# Altium PCB ASCII_LimeSDR-USB_1v4.PcbDoc (part 4 of 10)
Units mm, origin at the board's own origin, x right, y up, seen from the top; angles counter-clockwise.
Board outline 100 x 60 mm, 12 copper layers (Top, L2, L3, L4, L5, L6, L7, L8, L9, L10, L11, Bottom), stack 1.58 mm thick; 858 components, 627 nets, 4063 pads, 2099 vias.
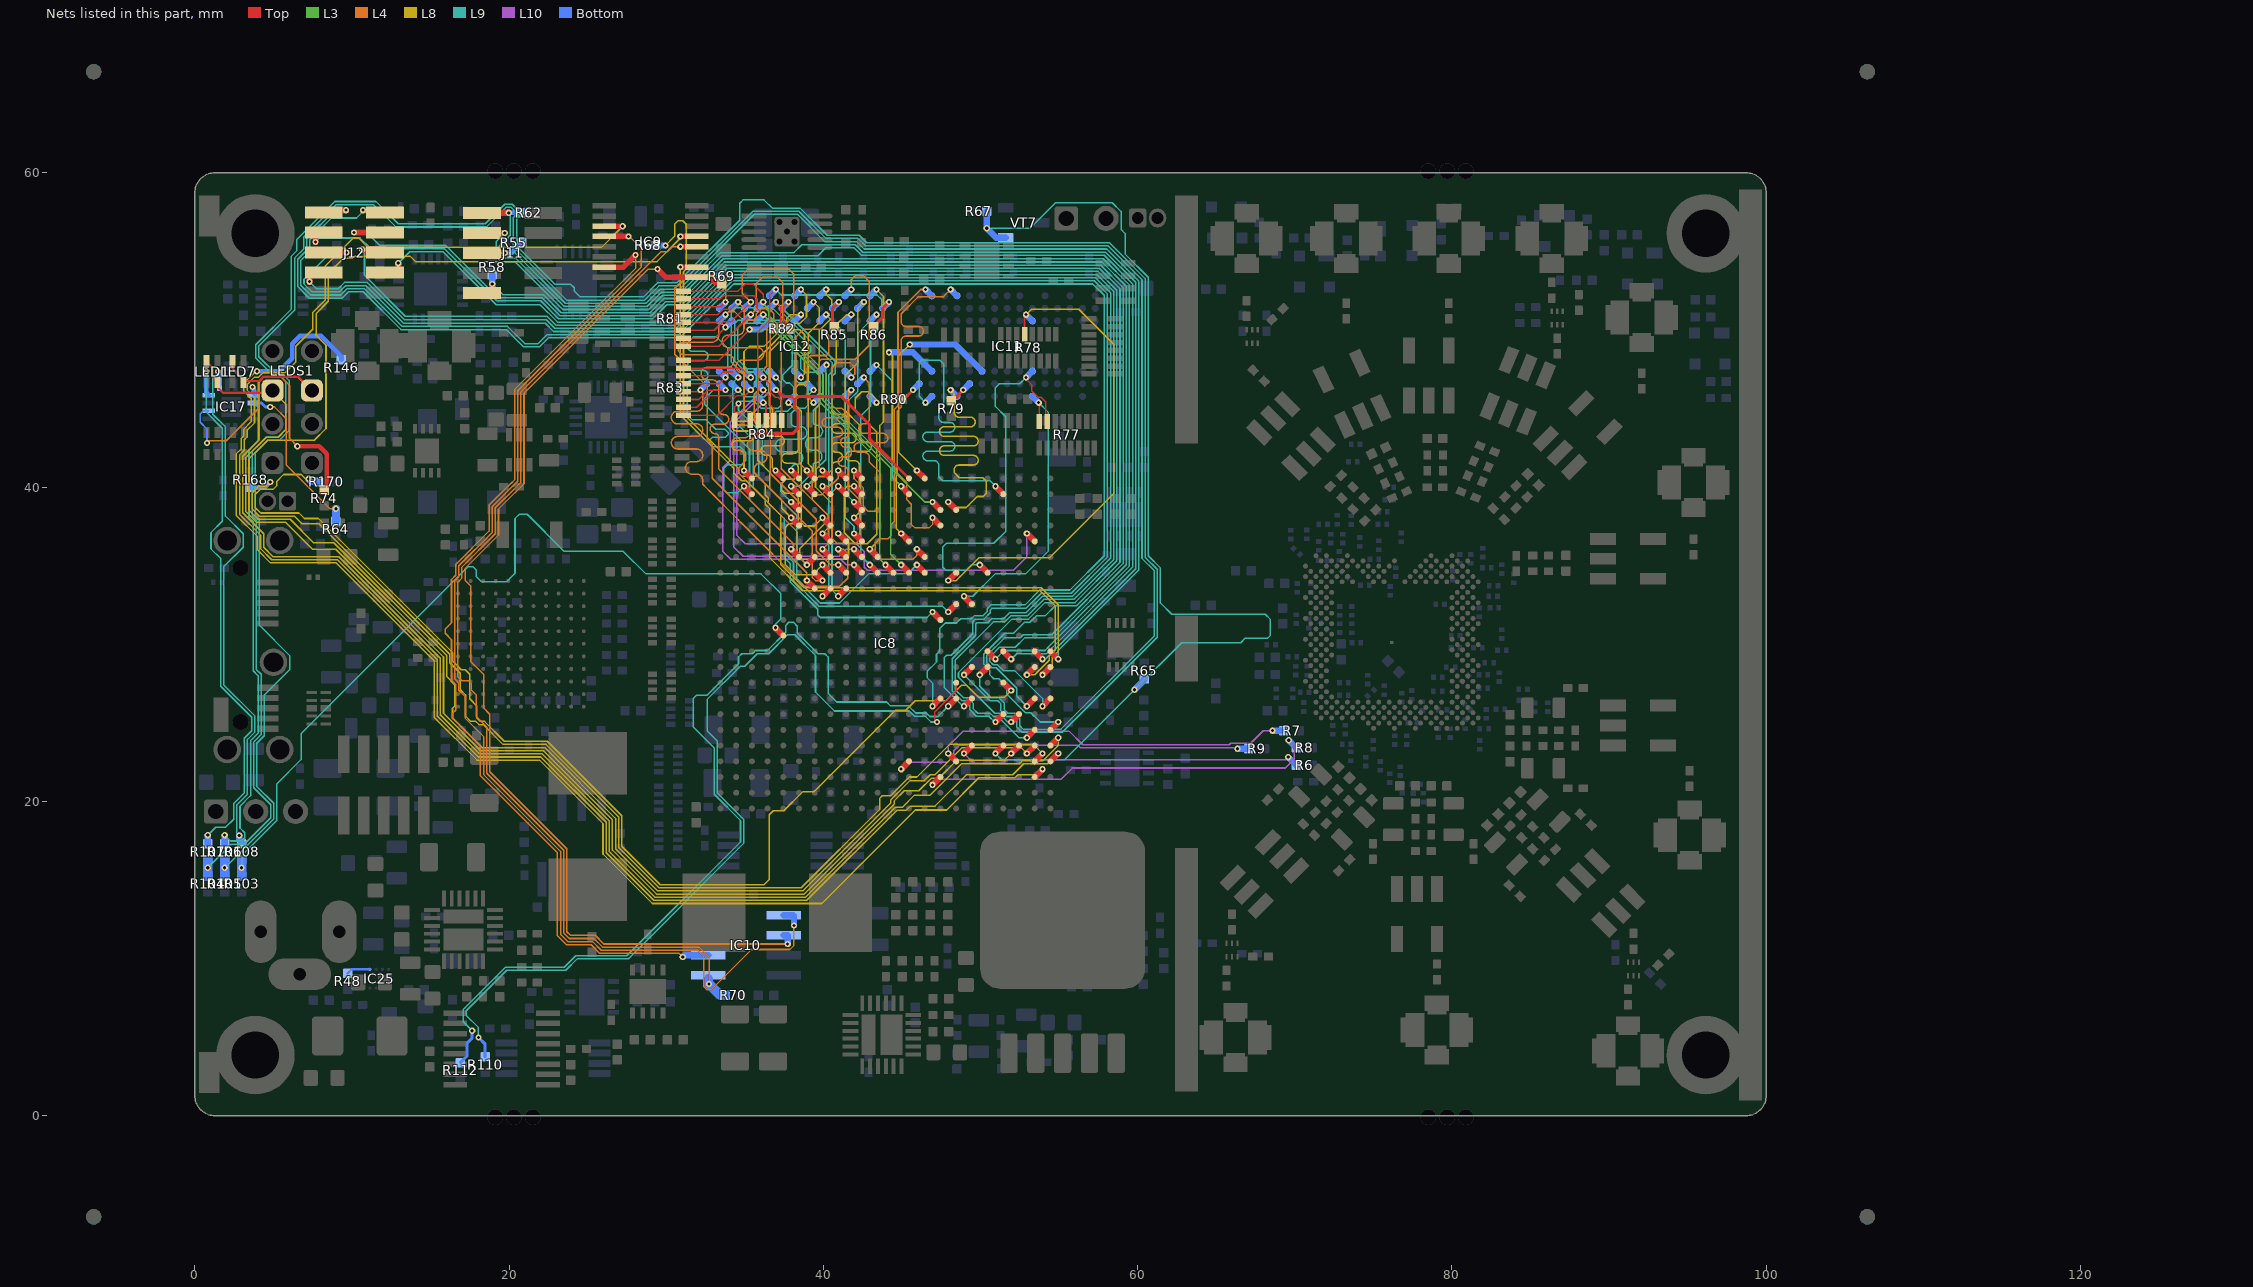
[diagram p12: the nets of this part, all layers, seen from the top]

## Via types
v1: diameter 0.4, hole 0.2, Top to Bottom, tented both sides, 1282 vias
v2: diameter 0.4, hole 0.2, Top to Bottom, tented top, 427 vias
v3: diameter 0.4, hole 0.2, Top to Bottom, 281 vias
v4: diameter 0.31, hole 0.2, Top to Bottom, tented top, 89 vias
v5: diameter 0.5, hole 0.2, Top to Bottom, tented both sides, 20 vias

## Nets (pads, with @x,y where several pads share a name; then routed paths per layer and width w, separated by ;. In a path a pad name is that pad's centre, name@x,y a point inside that pad or via, vN(x,y) a via of type N, cw(c..) or ccw(c..) an arc to the next point about the centre after c; other vN are vias at no path point) (continued)
DDR2_1_DQ12: IC8.W8 IC11.D1 | length 23.2
  Top w0.4: v2(46.95,38.05) IC8.W8@47.45,37.55
  L4 w0.1: v2(46.95,38.05) 46.95,37.625 46.725,37.4 45.825,37.4 45.6,37.625 45.6,38.905 45.3,39.205 45.3,39.912 45.3,40.275 44.7,40.875 44.7,44.839 44.95,45.089 44.95,49.25 44.95,49.309 cw(c45.254,49.309) 45.254,49.613 46.063,49.613 ccw(c46.063,49.917) 46.367,49.917 ccw(c46.063,49.917) 46.063,50.221 45.254,50.221 cw(c45.254,50.525) 44.95,50.525 44.95,51.025 46.05,52.125 47.65,52.125 v1(48.1,52.575)
  Bottom w0.4: v1(48.1,52.575) IC11.D1@48.5,52.175
DDR2_1_DQ13: IC8.Y7 IC11.D9 | length 23.6
  Top w0.4: v2(47.95,39.05) IC8.Y7@48.45,38.55
  L8 w0.1: v2(47.95,39.05) 48.3,38.7 49.095,38.7 49.795,39.4 50.095,39.4 50.175,39.4 50.375,39.6 50.375,40.375 50.15,40.6 48.65,40.6 48.325,40.925 48.325,41.102 cw(c48.629,41.102) 48.629,41.406 49.545,41.406 ccw(c49.545,41.71) 49.849,41.71 ccw(c49.545,41.71) 49.545,42.014 48.325,42.014 47.693,42.014 cw(c47.693,42.318) 47.389,42.318 cw(c47.693,42.318) 47.693,42.622 48.325,42.622 49.545,42.622 ccw(c49.545,42.926) 49.849,42.926 ccw(c49.545,42.926) 49.545,43.23 48.325,43.23 47.693,43.23 cw(c47.693,43.534) 47.389,43.534 cw(c47.693,43.534) 47.693,43.838 48.325,43.838 49.362,43.838 ccw(c49.362,44.142) 49.666,44.142 ccw(c49.362,44.142) 49.362,44.446 48.629,44.446 cw(c48.629,44.75) 48.325,44.75 48.325,45.95 v1(48.1,46.175)
  Bottom w0.4: v1(48.1,46.175) IC11.D9@48.5,45.775
DDR2_1_DQ14: IC8.U9 IC11.B1 | length 23.3
  Top w0.4: v2(45.95,36.05) IC8.U9@46.45,35.55
  L4 w0.1: v2(45.95,36.05) 45.95,35.65 45.7,35.4 43.5,35.4 43.3,35.6 43.3,36.475 43.525,36.7 44.1,36.7 44.3,36.9 44.3,37.592 44.5,37.792 44.5,44.922 44.75,45.172 44.75,51.125 46.2,52.575 v1(46.5,52.575)
  Bottom w0.4: v1(46.5,52.575) IC11.B1@46.9,52.175
DDR2_1_DQ15: IC8.AA4 IC11.B9 | length 23.7
  Top w0.4: v2(50.95,40.05) IC8.AA4@51.45,39.55
  L9 w0.1: v1(46.5,45.375) 46.1,45.775 46.1,47.9 46.275,48.075 47.425,48.075 47.65,47.85 47.65,45.175 47.35,44.875 47.35,44.575 47.35,44.415 ccw(c47.654,44.415) 47.654,44.111 48.062,44.111 cw(c48.062,43.807) 48.366,43.807 cw(c48.062,43.807) 48.062,43.503 47.35,43.503 46.638,43.503 ccw(c46.638,43.199) 46.334,43.199 ccw(c46.638,43.199) 46.638,42.895 47.35,42.895 48.062,42.895 cw(c48.062,42.591) 48.366,42.591 cw(c48.062,42.591) 48.062,42.287 47.35,42.287 46.638,42.287 ccw(c46.638,41.983) 46.334,41.983 ccw(c46.638,41.983) 46.638,41.679 47.046,41.679 cw(c47.046,41.375) 47.35,41.375 47.35,40.65 47.6,40.4 50.6,40.4 v2(50.95,40.05)
  Bottom w0.4: v1(46.5,45.375) IC11.B9@46.9,45.775
DDR2_1_DQS0: IC8.AB9 IC11.F7 | length 14.7
  Top w0.4: v2(45.95,41.05) IC8.AB9@46.45,40.55
  L8 w0.1: v1(45.5,49.075) 44.8,48.375 44.8,42.2 v2(45.95,41.05)
  Bottom w0.4: v1@45.575,49.075 48.4,49.075 IC11.F7@50.1,47.375
DDR2_1_DQS0N: IC11.E8 R79.2 | length 1.6
  Top w0.2: R79.2@48.15,45.5 48.225,45.5 v1(48.9,46.175)
  Bottom w0.4: v1(48.9,46.175) IC11.E8@49.3,46.575
DDR2_1_DQS1: IC8.V10 IC11.B7 | length 15.8
  Top w0.4: v2(44.95,37.05) IC8.V10@45.45,36.55
  L8 w0.1: v1(44.175,48.575) 44.4,48.35 44.4,41.625 44.625,41.4 44.625,37.375 v2(44.95,37.05)
  Bottom w0.4: v1(44.175,48.575) 45.7,48.575 IC11.B7@46.9,47.375
DDR2_1_DQS1N: IC11.A8 R80.2 | length 1.5
  Top w0.2: R80.2@45,45.6 45.125,45.6 v1(45.7,46.175)
  Bottom w0.4: v1(45.7,46.175) IC11.A8@46.1,46.575
DDR2_1_ODT: IC8.P6 IC11.K9 R77.8 | length 18.7
  Top w0.1: v1(53.7,45.375) 53.75,45.325 R77.8@53.75,44.175
  Top w0.4: v2(48.95,33.05) IC8.P6@49.45,32.55
  L9 w0.1: v2(48.95,33.05) 49.5,33.05 50.925,34.475 52.87,34.475 54.3,35.905 54.3,44.775 v1(53.7,45.375)
  Bottom w0.4: IC11.K9@53.3,45.775 v1(53.7,45.375)
DDR2_1_RASN: IC8.T5 IC11.K7 R77.7 | length 24.7
  Top w0.1: v1(52.9,46.975) 52.9,46.875 53.25,46.525 53.25,46.13 53.655,45.725 53.845,45.725 54.15,45.42 54.15,44.275 R77.7@54.25,44.175
  Top w0.4: v2(49.95,35.05) IC8.T5@50.45,34.55
  L9 w0.1: v2(49.95,35.05) 49.445,35.05 49.095,34.7 47.805,34.7 47.6,34.905 47.6,36.195 47.83,36.425 50.85,36.425 51.6,37.175 51.6,44.475 50.95,45.125 50.95,46.32 51.175,46.545 51.175,46.575 52.5,46.575 v1(52.9,46.975)
  Bottom w0.4: v1(52.9,46.975) IC11.K7@53.3,47.375
DDR2_1_WEN: IC8.T7 IC11.K3 R78.5 | length 31.5
  Top w0.1: R78.5@52.8,49.725 52.8,50.875 v1(52.9,50.975)
  Top w0.4: v2(47.95,34.05) IC8.T7@48.45,34.55
  L8 w0.1: v2(47.95,34.05) 48.45,34.05 49.9,35.5 54.383,35.5 58.475,39.592 58.475,49.095 56.245,51.325 53.25,51.325 v1(52.9,50.975)
  Bottom w0.4: v1(52.9,50.975) IC11.K3@53.3,50.575
DDR2_2_A0: IC8.U15 IC12.M8 R81.3 | length 31
  Top w0.1: R81.3@31.1,49.975 33.058,49.975 33.608,50.525 34.125,50.525 v1(35.375,51.775)
  Top w0.4: v2(39.95,36.05) IC8.U15@40.45,35.55
  L4 w0.1: v1(35.375,51.775) 34.85,52.3 34.85,53.5 35.225,53.875 37.8,53.875 38.125,53.55 38.125,50.925 37.325,50.125 37.325,41.17 40.3,38.195 40.3,36.4 v2(39.95,36.05)
  Bottom w0.4: IC12.M8@34.975,51.375 v1(35.375,51.775)
DDR2_2_A1: IC8.AA17 IC12.M3 R83.7 | length 30.3
  Top w0.1: R83.7@31.1,47.575 34.775,47.575 v1(35.375,46.975)
  Top w0.4: v2(37.95,40.05) IC8.AA17@38.45,39.55
  L9 w0.1: v1(35.375,46.975) 35.125,46.975 34.15,47.95 34.15,51.175 34.4,51.425 36.725,51.425 39.2,48.95 39.2,48.65 38.975,48.425 38.7,48.425 38.55,48.275 38.55,47.55 38.8,47.3 39.55,47.3 39.8,47.05 39.8,45.305 39.35,44.855 39.35,44.5 39.35,44.15 ccw(c39.55,44.15) 39.55,43.95 cw(c39.55,43.55) 39.95,43.55 cw(c39.55,43.55) 39.55,43.15 39.35,43.15 39.264,43.15 ccw(c39.264,42.75) 38.864,42.75 ccw(c39.264,42.75) 39.264,42.35 39.35,42.35 39.507,42.35 cw(c39.507,41.95) 39.907,41.95 cw(c39.507,41.95) 39.507,41.55 ccw(c39.507,41.393) 39.35,41.393 39.35,41.15 39.35,40.955 38.445,40.05 v2(37.95,40.05)
  Bottom w0.4: IC12.M3@34.975,47.375 v1(35.375,46.975)
DDR2_2_A2: IC8.T14 IC12.M7 R81.1 | length 30.9
  Top w0.1: R81.1@31.1,48.975 33.375,48.975 v1(35.375,50.975)
  Top w0.4: v2(40.95,35.05) IC8.T14@41.45,34.55
  L4 w0.1: v1(35.375,50.975) 35.725,51.325 35.725,52.95 36.125,53.35 37.075,53.35 37.425,53 37.425,50.675 36.617,49.867 36.617,40.889 39.55,37.955 39.55,35.955 40.455,35.05 v2(40.95,35.05)
  Bottom w0.4: IC12.M7@34.975,50.575 v1(35.375,50.975)
DDR2_2_A3: IC8.Y17 IC12.N2 R83.2 | length 30.1
  Top w0.1: R83.2@31.1,45.075 31.95,45.075 32.7,45.825 34.225,45.825 v1(34.575,46.175)
  Top w0.4: v2(37.95,39.05) IC8.Y17@38.45,38.55
  L9 w0.1: v1(34.575,46.175) 35,45.75 36.245,45.75 36.525,46.03 36.525,47.12 36.12,47.525 35.141,47.525 34.55,48.116 34.55,50.15 34.825,50.425 37.159,50.425 38.025,49.559 38.025,47.75 37.425,47.15 37.425,46.9 37.425,46.83 37.63,46.625 37.845,46.625 38.125,46.345 38.125,45.23 37.72,44.825 37,44.825 36.1,43.925 36.1,41.4 37.275,40.225 37.275,39.725 v2(37.95,39.05)
  Bottom w0.4: IC12.N2@34.175,46.575 v1(34.575,46.175)
DDR2_2_A4: IC8.T16 IC12.N8 R81.5 | length 31
  Top w0.1: R81.5@31.1,50.975 33.258,50.975 33.608,51.325 34.125,51.325 v1(34.575,51.775)
  Top w0.4: IC8.T16@39.45,34.55 v2(39.95,34.05)
  L4 w0.1: v1(34.575,51.775) 34.975,51.375 34.975,50.825 35.187,50.613 35.563,50.613 35.725,50.775 35.725,51.02 36.055,51.35 36.55,51.35 36.85,51.05 36.85,50.55 36.4,50.1 36.4,47.695 35.825,47.12 35.825,46.13 35.6,45.905 35.6,44.425 35.6,44.325 ccw(c36,44.325) 36,43.925 cw(c36,43.525) 36.4,43.525 cw(c36,43.525) 36,43.125 35.6,43.125 35.565,43.125 ccw(c35.565,42.725) 35.165,42.725 ccw(c35.565,42.725) 35.565,42.325 35.6,42.325 36,42.325 cw(c36,41.925) 36.4,41.925 cw(c36,41.925) 36,41.525 ccw(c36,41.125) 35.6,41.125 35.6,40.905 39.3,37.205 39.3,34.25 39.5,34.05 v2(39.95,34.05)
  Bottom w0.4: IC12.N8@34.175,51.375 v1(34.575,51.775)
DDR2_2_A5: IC8.P7 IC12.N3 R83.6 | length 30.3
  Top w0.1: R83.6@31.1,47.075 33.38,47.075 33.63,47.325 34.225,47.325 v1(34.575,46.975)
  Top w0.4: v2(47.95,32.05) IC8.P7@48.45,32.55
  L9 w0.1: v1(34.575,46.975) 34.225,46.625 34.225,44.325 35.55,43 35.55,39.955 37.5,38.005 37.5,35.825 38.1,35.225 38.1,34.05 39.725,32.425 47.575,32.425 v2(47.95,32.05)
  Bottom w0.4: IC12.N3@34.175,47.375 v1(34.575,46.975)
DDR2_2_A6: IC8.U17 IC12.N7 R81.2 | length 30.6
  Top w0.1: R81.2@31.1,49.475 33.075,49.475 v1(33.775,50.175)
  Top w0.4: v2(37.95,36.05) IC8.U17@38.45,35.55
  L4 w0.1: v1(33.775,50.175) 33.575,50.375 33.433,50.375 33.333,50.275 33.333,50.008 33.333,49.625 cw(c32.933,49.625) 32.933,49.225 31.15,49.225 ccw(c31.15,48.825) 30.75,48.825 ccw(c31.15,48.825) 31.15,48.425 33.333,48.425 33.907,48.425 cw(c33.907,48.025) 34.307,48.025 cw(c33.907,48.025) 33.907,47.625 33.333,47.625 32.623,47.625 ccw(c32.623,47.225) 32.223,47.225 ccw(c32.623,47.225) 32.623,46.825 32.933,46.825 cw(c32.933,46.425) 33.333,46.425 33.333,45.425 33.333,44.924 ccw(c33.637,44.924) 33.637,44.62 33.665,44.62 cw(c33.665,44.316) 33.969,44.316 cw(c33.665,44.316) 33.665,44.012 33.333,44.012 33.104,44.012 ccw(c33.104,43.708) 32.8,43.708 ccw(c33.104,43.708) 33.104,43.404 cw(c33.104,43.174) 33.333,43.174 33.333,43.1 33.333,41.162 38.1,36.395 38.1,36.2 v2(37.95,36.05)
  Bottom w0.4: v1(33.775,50.175) IC12.N7@34.175,50.575
DDR2_2_A7: IC8.N8 IC12.P2 R83.3 | length 30
  Top w0.1: R83.3@31.1,45.575 32.07,45.575 32.67,46.175 v1(33.775,46.175)
  Top w0.4: v1(46.95,32.05) IC8.N8@47.45,31.55
  L9 w0.1: v1(33.775,46.175) 33,46.175 32.45,45.625 32.45,45.25 35.3,42.4 35.3,39.205 37.3,37.205 37.3,35.742 37.9,35.142 37.9,33.967 39.64,32.227 39.64,31.865 39.805,31.7 46.6,31.7 v1(46.95,32.05)
  Bottom w0.4: IC12.P2@33.375,46.575 v1(33.775,46.175)
DDR2_2_A8: IC8.R16 IC12.P8 R81.6 | length 31
  Top w0.1: R81.6@31.1,51.475 33.475,51.475 v1(33.775,51.775)
  Top w0.4: v2(38.95,34.05) IC8.R16@39.45,33.55
  L4 w0.1: v1(33.775,51.775) 33.775,52.725 33,53.5 31.4,53.5 30.55,52.65 30.55,48.45 32.6,46.4 32.6,43.05 32.925,42.725 32.925,40.57 38.95,34.545 v2(38.95,34.05)
  Bottom w0.4: IC12.P8@33.375,51.375 v1(33.775,51.775)
DDR2_2_A9: IC8.AA20 IC12.P3 R83.5 | length 30.1
  Top w0.1: R83.5@31.1,46.575 33.375,46.575 v1(33.775,46.975)
  Top w0.4: v2(34.95,40.05) IC8.AA20@35.45,39.55
  L9 w0.1: v1(33.775,46.975) 33.925,47.125 33.925,48.825 33.2,49.55 31.725,49.55 31.35,49.175 31.35,48.95 ccw(c31.654,48.95) 31.654,48.646 32.354,48.646 cw(c32.354,48.342) 32.658,48.342 cw(c32.354,48.342) 32.354,48.038 31.654,48.038 ccw(c31.654,47.734) 31.35,47.734 ccw(c31.654,47.734) 31.654,47.43 32.354,47.43 cw(c32.354,47.126) 32.658,47.126 cw(c32.354,47.126) 32.354,46.822 31.654,46.822 ccw(c31.654,46.518) 31.35,46.518 31.35,45.625 31.35,44.6 31.675,44.275 32.55,44.275 33.15,43.675 33.742,43.675 33.946,43.471 33.946,43.346 33.775,43.175 32.95,43.175 32.775,43 32.775,42.775 32.975,42.575 34.7,42.575 35.05,42.225 35.05,41.675 34.8,41.425 33.9,41.425 33.65,41.175 33.65,39.85 33.85,39.65 34.55,39.65 v2(34.95,40.05)
  Bottom w0.4: IC12.P3@33.375,47.375 v1(33.775,46.975)
DDR2_2_A10: IC8.AB17 IC12.M2 R83.1 | length 29.9
  Top w0.1: R83.1@31.1,44.575 33.258,44.575 34.508,45.825 35.025,45.825 v1(35.375,46.175)
  Top w0.4: v2(37.95,41.05) IC8.AB17@38.45,40.55
  L9 w0.1: v1(35.375,46.175) 35.725,46.525 35.725,47.125 35.525,47.325 35.058,47.325 34.35,48.033 34.35,50.4 34.575,50.625 37.242,50.625 38.225,49.642 38.225,46.83 38.43,46.625 38.8,46.625 39.025,46.4 39.025,45.225 38.825,45.025 38.27,45.025 37.95,44.705 37.95,44.1 ccw(c38.2,44.1) 38.2,43.85 38.55,43.85 cw(c38.55,43.45) 38.95,43.45 cw(c38.55,43.45) 38.55,43.05 37.95,43.05 37.35,43.05 ccw(c37.35,42.65) 36.95,42.65 ccw(c37.35,42.65) 37.35,42.25 37.95,42.25 38.286,42.25 cw(c38.286,41.85) 38.686,41.85 cw(c38.286,41.85) 38.286,41.45 ccw(c38.286,41.114) 37.95,41.114 v2(37.95,41.05)
  Bottom w0.4: IC12.M2@34.975,46.575 v1(35.375,46.175)
DDR2_2_A11: IC8.U16 IC12.P7 R81.4 | length 30.9
  Top w0.1: R81.4@31.1,50.475 33.275,50.475 v1(33.775,50.975)
  Top w0.4: v2(38.95,35.05) IC8.U16@39.45,35.55
  L4 w0.1: v1(33.775,50.975) 33.975,51.175 34.342,51.175 34.95,50.567 34.95,50.325 34.95,50.075 cw(c34.55,50.075) 34.55,49.675 33.95,49.675 ccw(c33.95,49.275) 33.55,49.275 ccw(c33.95,49.275) 33.95,48.875 34.95,48.875 35.8,48.875 cw(c35.8,48.475) 36.2,48.475 cw(c35.8,48.475) 35.8,48.075 34.95,48.075 34.844,48.075 ccw(c34.844,47.675) 34.444,47.675 ccw(c34.844,47.675) 34.844,47.275 cw(c34.844,47.169) 34.95,47.169 34.95,46.875 34.95,44.975 cw(c34.725,44.975) 34.725,44.75 34.568,44.75 ccw(c34.568,44.35) 34.168,44.35 ccw(c34.568,44.35) 34.568,43.95 34.95,43.95 35,43.95 cw(c35,43.55) 35.4,43.55 cw(c35,43.55) 35,43.15 34.95,43.15 34.568,43.15 ccw(c34.568,42.75) 34.168,42.75 ccw(c34.568,42.75) 34.568,42.35 cw(c34.568,41.968) 34.95,41.968 34.95,41.95 34.95,41.545 34.6,41.195 34.6,40.895 38.35,37.145 38.35,35.65 v2(38.95,35.05)
  Bottom w0.4: IC12.P7@33.375,50.575 v1(33.775,50.975)
DDR2_2_A12: IC8.U14 IC12.R2 R83.4 | length 31
  Top w0.1: R83.4@31.1,46.075 32.075,46.075 v1(32.175,46.175)
  Top w0.4: v2(40.95,36.05) IC8.U14@41.45,35.55
  L4 w0.1: v1(32.175,46.175) 32.325,46.025 32.325,45.6 32.325,45.225 cw(c31.925,45.225) 31.925,44.825 30.725,44.825 ccw(c30.725,44.425) 30.325,44.425 ccw(c30.725,44.425) 30.725,44.025 31.925,44.025 cw(c31.925,43.625) 32.325,43.625 cw(c31.925,43.625) 31.925,43.225 30.725,43.225 ccw(c30.725,42.825) 30.325,42.825 ccw(c30.725,42.825) 30.725,42.425 31.925,42.425 cw(c31.925,42.025) 32.325,42.025 cw(c31.925,42.025) 31.925,41.625 31.623,41.625 ccw(c31.623,41.225) 31.223,41.225 ccw(c31.623,41.225) 31.623,40.825 31.925,40.825 cw(c31.925,40.425) 32.325,40.425 32.325,40.183 32.6,39.908 32.6,39.905 32.805,39.7 32.808,39.7 34.6,37.908 34.6,37.905 34.8,37.705 34.8,37.7 38.8,33.7 41.05,33.7 41.55,34.2 41.55,35.775 41.275,36.05 v2(40.95,36.05)
  Bottom w0.4: v1(32.175,46.175) IC12.R2@32.575,46.575
DDR2_2_BA0: IC8.U13 IC12.L2 R84.3 | length 22.3
  Top w0.1: v1(36.175,46.175) 36.625,45.725 36.625,45.23 36.85,45.005 R84.3@36.85,44.225
  Top w0.4: v2(41.95,36.05) IC8.U13@42.45,35.55
  L10 w0.1: v1(36.175,46.175) 36.175,45.95 34.3,44.075 34.3,36.195 34.895,35.6 41.005,35.6 41.455,36.05 v2(41.95,36.05)
  Bottom w0.4: IC12.L2@35.775,46.575 v1(36.175,46.175)
DDR2_2_BA1: IC8.T13 IC12.L3 R84.2 | length 25.5
  Top w0.1: v1(36.175,46.975) 36.575,46.575 36.575,46.08 36.93,45.725 37.12,45.725 37.35,45.495 R84.2@37.35,44.225
  Top w0.4: v2(41.95,35.05) IC8.T13@42.45,34.55
  L10 w0.1: v1(36.175,46.975) 36.175,46.875 35.825,46.525 35.825,45.883 34.075,44.133 34.075,41.7 33.6,41.225 33.6,35.905 34.105,35.4 41.105,35.4 41.455,35.05 v2(41.95,35.05)
  Bottom w0.4: IC12.L3@35.775,47.375 v1(36.175,46.975)
DDR2_2_BA2: IC8.V2 IC12.L1 R84.4 | length 33.4
  Top w0.1: v1(36.175,45.375) 36.35,45.2 R84.4@36.35,44.225
  Top w0.4: v2(52.95,37.05) IC8.V2@53.45,36.55
  L10 w0.1: v1(36.175,45.375) 34.5,43.7 34.5,36.925 35.025,36.4 42.095,36.4 42.6,35.895 42.6,34.905 42.805,34.7 52.095,34.7 52.95,35.555 v2(52.95,37.05)
  Bottom w0.4: IC12.L1@35.775,45.775 v1(36.175,45.375)
DDR2_2_CASN: IC8.T10 IC12.L7 R81.7 | length 26.8
  Top w0.1: R81.7@31.1,51.975 33.45,51.975 33.65,52.175 35.575,52.175 35.775,51.975 35.775,51.375 v1(36.175,50.975)
  Top w0.4: v2(44.95,35.05) IC8.T10@45.45,34.55
  L3 w0.1: v1(36.175,50.975) 39.975,47.175 39.975,45.52 44.3,41.195 44.3,35.7 v2(44.95,35.05)
  Bottom w0.4: IC12.L7@35.775,50.575 v1(36.175,50.975)
DDR2_2_CKE: IC8.AB10 IC12.K2 R84.6 | length 17.9
  Top w0.19: R84.6@35.35,44.225 35.35,43.625 35.575,43.4 38.05,43.4 38.4,43.75 38.4,44.8 38.17,45.03 38.17,45.539 ; 37.9,45.775 37.934,45.775 38.17,45.539 ; IC8.AB10@45.45,40.55 42.95,43.05 42.95,43.959 41.139,45.77 38.401,45.77 38.17,45.539
  Top w0.2: v1(36.975,46.175) 37.024,46.175 37.424,45.775 37.9,45.775
  Bottom w0.4: IC12.K2@36.575,46.575 v1(36.975,46.175)
DDR2_2_CLK_N: IC8.R15 IC12.K8 R82.2 | length 23.7
  Top w0.1: R82.2@36.875,50.075 37.275,50.475 37.275,51.475 v1(36.975,51.775)
  Top w0.4: v2(39.95,33.05) IC8.R15@40.45,33.55
  L9 w0.1: v1(36.975,51.775) 37.275,51.475 37.275,51.199 40.552,47.922 40.552,47.335 40.35,47.133 40.35,33.45 v2(39.95,33.05)
  Bottom w0.4: IC12.K8@36.575,51.375 v1(36.975,51.775)
DDR2_2_CLK_P: IC8.R14 IC12.J8 R82.1 | length 23.7
  Top w0.1: v1(37.775,51.775) 37.475,51.475 37.475,50.475 R82.1@37.875,50.075
  Top w0.4: v2(40.95,33.05) IC8.R14@41.45,33.55
  L9 w0.1: v1(37.775,51.775) 37.475,51.475 37.475,51.282 40.752,48.005 40.752,47.252 40.75,47.25 40.55,47.05 40.55,33.45 v2(40.95,33.05)
  Bottom w0.4: IC12.J8@37.375,51.375 v1(37.775,51.775)
DDR2_2_CSN: IC8.Y8 IC12.L8 R81.8 | length 24.8
  Top w0.1: R81.8@31.1,52.475 34.575,52.475 35.025,52.925 35.52,52.925 36.175,52.27 v1(36.175,51.775)
  Top w0.4: v2(46.95,39.05) IC8.Y8@47.45,38.55
  L3 w0.1: v1(36.175,51.775) 36.175,51.675 36.525,51.325 36.525,50.908 40.175,47.258 40.175,45.603 44.525,41.253 44.525,40.98 46.455,39.05 v2(46.95,39.05)
  Bottom w0.4: IC12.L8@35.775,51.375 v1(36.175,51.775)
DDR2_2_DM0: IC8.AA16 IC12.F3 | length 9.6
  Top w0.4: v2(38.95,40.05) IC8.AA16@39.45,39.55
  L9 w0.1: v2(38.95,40.05) 39.55,40.65 39.55,41.145 40.15,41.745 40.15,47.75 40.177,47.777 v1(40.202,47.777)
  Bottom w0.4: IC12.F3@39.775,47.375 40.177,47.777 v1(40.202,47.777)
DDR2_2_DM1: IC8.AA10 IC12.B3 | length 9.7
  Top w0.4: v2(44.95,40.05) IC8.AA10@45.45,39.55
  L9 w0.1: v1(43.375,47.775) 44.375,46.775 44.375,40.625 v2(44.95,40.05)
  Bottom w0.4: IC12.B3@42.975,47.375 v1(43.375,47.775)
DDR2_2_DQ0: IC8.W15 IC12.G8 | length 18.1
  Top w0.4: v2(39.95,38.05) IC8.W15@40.45,37.55
  L8 w0.1: v1(39.375,51.775) 39.725,51.425 39.725,50.45 39.025,49.75 39.025,46.775 38.775,46.525 38.43,46.525 38.225,46.32 38.225,45.208 38.6,44.833 38.6,37.725 38.8,37.525 39.425,37.525 v2(39.95,38.05)
  Bottom w0.4: IC12.G8@38.975,51.375 v1(39.375,51.775)
DDR2_2_DQ1: IC8.V14 IC12.G2 | length 18.2
  Top w0.4: v2(40.95,37.05) IC8.V14@41.45,36.55
  L8 w0.1: v1(39.375,46.175) 39.025,45.825 39.025,41.5 39.3,41.225 39.3,39.205 40.3,38.205 40.3,37.895 38.5,36.095 38.5,35.575 38.675,35.4 41.35,35.4 41.6,35.65 41.6,36.4 v2(40.95,37.05)
  Bottom w0.4: IC12.G2@38.975,46.575 v1(39.375,46.175)
DDR2_2_DQ2: IC8.AB20 IC12.H7 | length 18.1
  Top w0.4: v2(34.95,41.05) IC8.AB20@35.45,40.55
  L8 w0.1: v2(34.95,41.05) 34.95,42.05 ccw(c34.646,42.05) 34.646,42.354 34.492,42.354 cw(c34.492,42.658) 34.188,42.658 cw(c34.492,42.658) 34.492,42.962 34.95,42.962 35.321,42.962 ccw(c35.321,43.266) 35.625,43.266 ccw(c35.321,43.266) 35.321,43.57 34.95,43.57 34.492,43.57 cw(c34.492,43.874) 34.188,43.874 cw(c34.492,43.874) 34.492,44.178 34.95,44.178 35.321,44.178 ccw(c35.321,44.482) 35.625,44.482 ccw(c35.321,44.482) 35.321,44.786 35.254,44.786 cw(c35.254,45.09) 34.95,45.09 34.95,45.394 34.95,45.425 34.95,48.625 35.3,48.975 36.25,48.975 37.675,50.4 37.675,50.725 37.925,50.975 v1(38.575,50.975)
  Bottom w0.4: IC12.H7@38.175,50.575 v1(38.575,50.975)
DDR2_2_DQ3: IC8.AB18 IC12.H3 | length 18.2
  Top w0.4: v2(36.95,41.05) IC8.AB18@37.45,40.55
  L8 w0.1: v2(36.95,41.05) 36.75,41.25 36.75,41.725 ccw(c36.446,41.725) 36.446,42.029 36.329,42.029 cw(c36.329,42.333) 36.025,42.333 cw(c36.329,42.333) 36.329,42.637 36.75,42.637 37.208,42.637 ccw(c37.208,42.941) 37.512,42.941 ccw(c37.208,42.941) 37.208,43.245 36.75,43.245 36.329,43.245 cw(c36.329,43.549) 36.025,43.549 cw(c36.329,43.549) 36.329,43.853 36.446,43.853 ccw(c36.446,44.157) 36.75,44.157 36.75,44.65 36.75,45.025 36.55,45.225 36.55,48.6 37.975,50.025 38.5,50.025 38.8,49.725 38.8,47.2 v1(38.575,46.975)
  Bottom w0.4: IC12.H3@38.175,47.375 v1(38.575,46.975)
DDR2_2_DQ4: IC8.T15 IC12.H1 | length 18.4
  Top w0.4: v2(39.95,35.05) IC8.T15@40.45,34.55
  L8 w0.1: v1(37.775,45.375) 38.4,44.75 38.4,42.764 38.4,42.441 cw(c38.096,42.441) 38.096,42.137 37.65,42.137 ccw(c37.65,41.833) 37.346,41.833 ccw(c37.65,41.833) 37.65,41.529 38.096,41.529 cw(c38.096,41.225) 38.4,41.225 38.4,40.775 38.125,40.5 37.6,40.5 37.35,40.25 37.35,39.8 37.55,39.6 38.175,39.6 38.4,39.375 38.4,37.9 38.175,37.675 37.8,37.675 37.575,37.45 37.575,35.074 38.224,34.425 39.325,34.425 v2(39.95,35.05)
  Bottom w0.4: v1(37.775,45.375) IC12.H1@38.175,45.775
DDR2_2_DQ5: IC8.W17 IC12.H9 | length 18.4
  Top w0.4: v2(37.95,38.05) IC8.W17@38.45,37.55
  L8 w0.1: v2(37.95,38.05) 37.35,38.65 37.35,39.145 36.6,39.895 36.6,40.925 35.825,41.7 35.825,48.175 38.075,50.425 38.52,50.425 38.925,50.83 38.925,52.225 v1(38.575,52.575)
  Bottom w0.4: IC12.H9@38.175,52.175 v1(38.575,52.575)
DDR2_2_DQ6: IC8.AB16 IC12.F1 | length 18.2
  Top w0.4: v2(38.95,41.05) IC8.AB16@39.45,40.55
  L4 w0.1: v2(38.95,41.05) 38.475,41.525 38.475,44.98 38.225,45.23 38.225,49.525 38.75,50.05 39.95,50.05 40.35,49.65 40.35,48.525 40.2,48.375 39.2,48.375 38.975,48.15 38.975,45.775 v1(39.375,45.375)
  Bottom w0.4: v1(39.375,45.375) IC12.F1@39.775,45.775
DDR2_2_DQ7: IC8.V15 IC12.F9 | length 18
  Top w0.4: v2(39.95,37.05) IC8.V15@40.45,36.55
  L8 w0.1: v2(39.95,37.05) 40.525,37.625 40.525,38.98 39.5,40.005 39.5,45.005 39.725,45.23 39.725,49.95 40.525,50.75 40.525,51.92 40.175,52.27 v1(40.175,52.575)
  Bottom w0.4: IC12.F9@39.775,52.175 v1(40.175,52.575)
DDR2_2_DQ8: IC8.W13 IC12.C8 | length 18.5
  Top w0.4: v2(41.95,38.05) IC8.W13@42.45,37.55
  L8 w0.1: v2(41.95,38.05) 42.3,38.4 42.3,41.363 ccw(c41.996,41.363) 41.996,41.667 41.731,41.667 cw(c41.731,41.971) 41.427,41.971 cw(c41.731,41.971) 41.731,42.275 42.3,42.275 42.753,42.275 ccw(c42.753,42.579) 43.057,42.579 ccw(c42.753,42.579) 42.753,42.882 42.604,42.882 cw(c42.604,43.186) 42.3,43.186 42.3,43.95 41.4,44.85 41.4,47.125 42.2,47.925 42.2,51.4 v1(42.575,51.775)